# Allegro board 8880F5-0823_9.brd (continued)
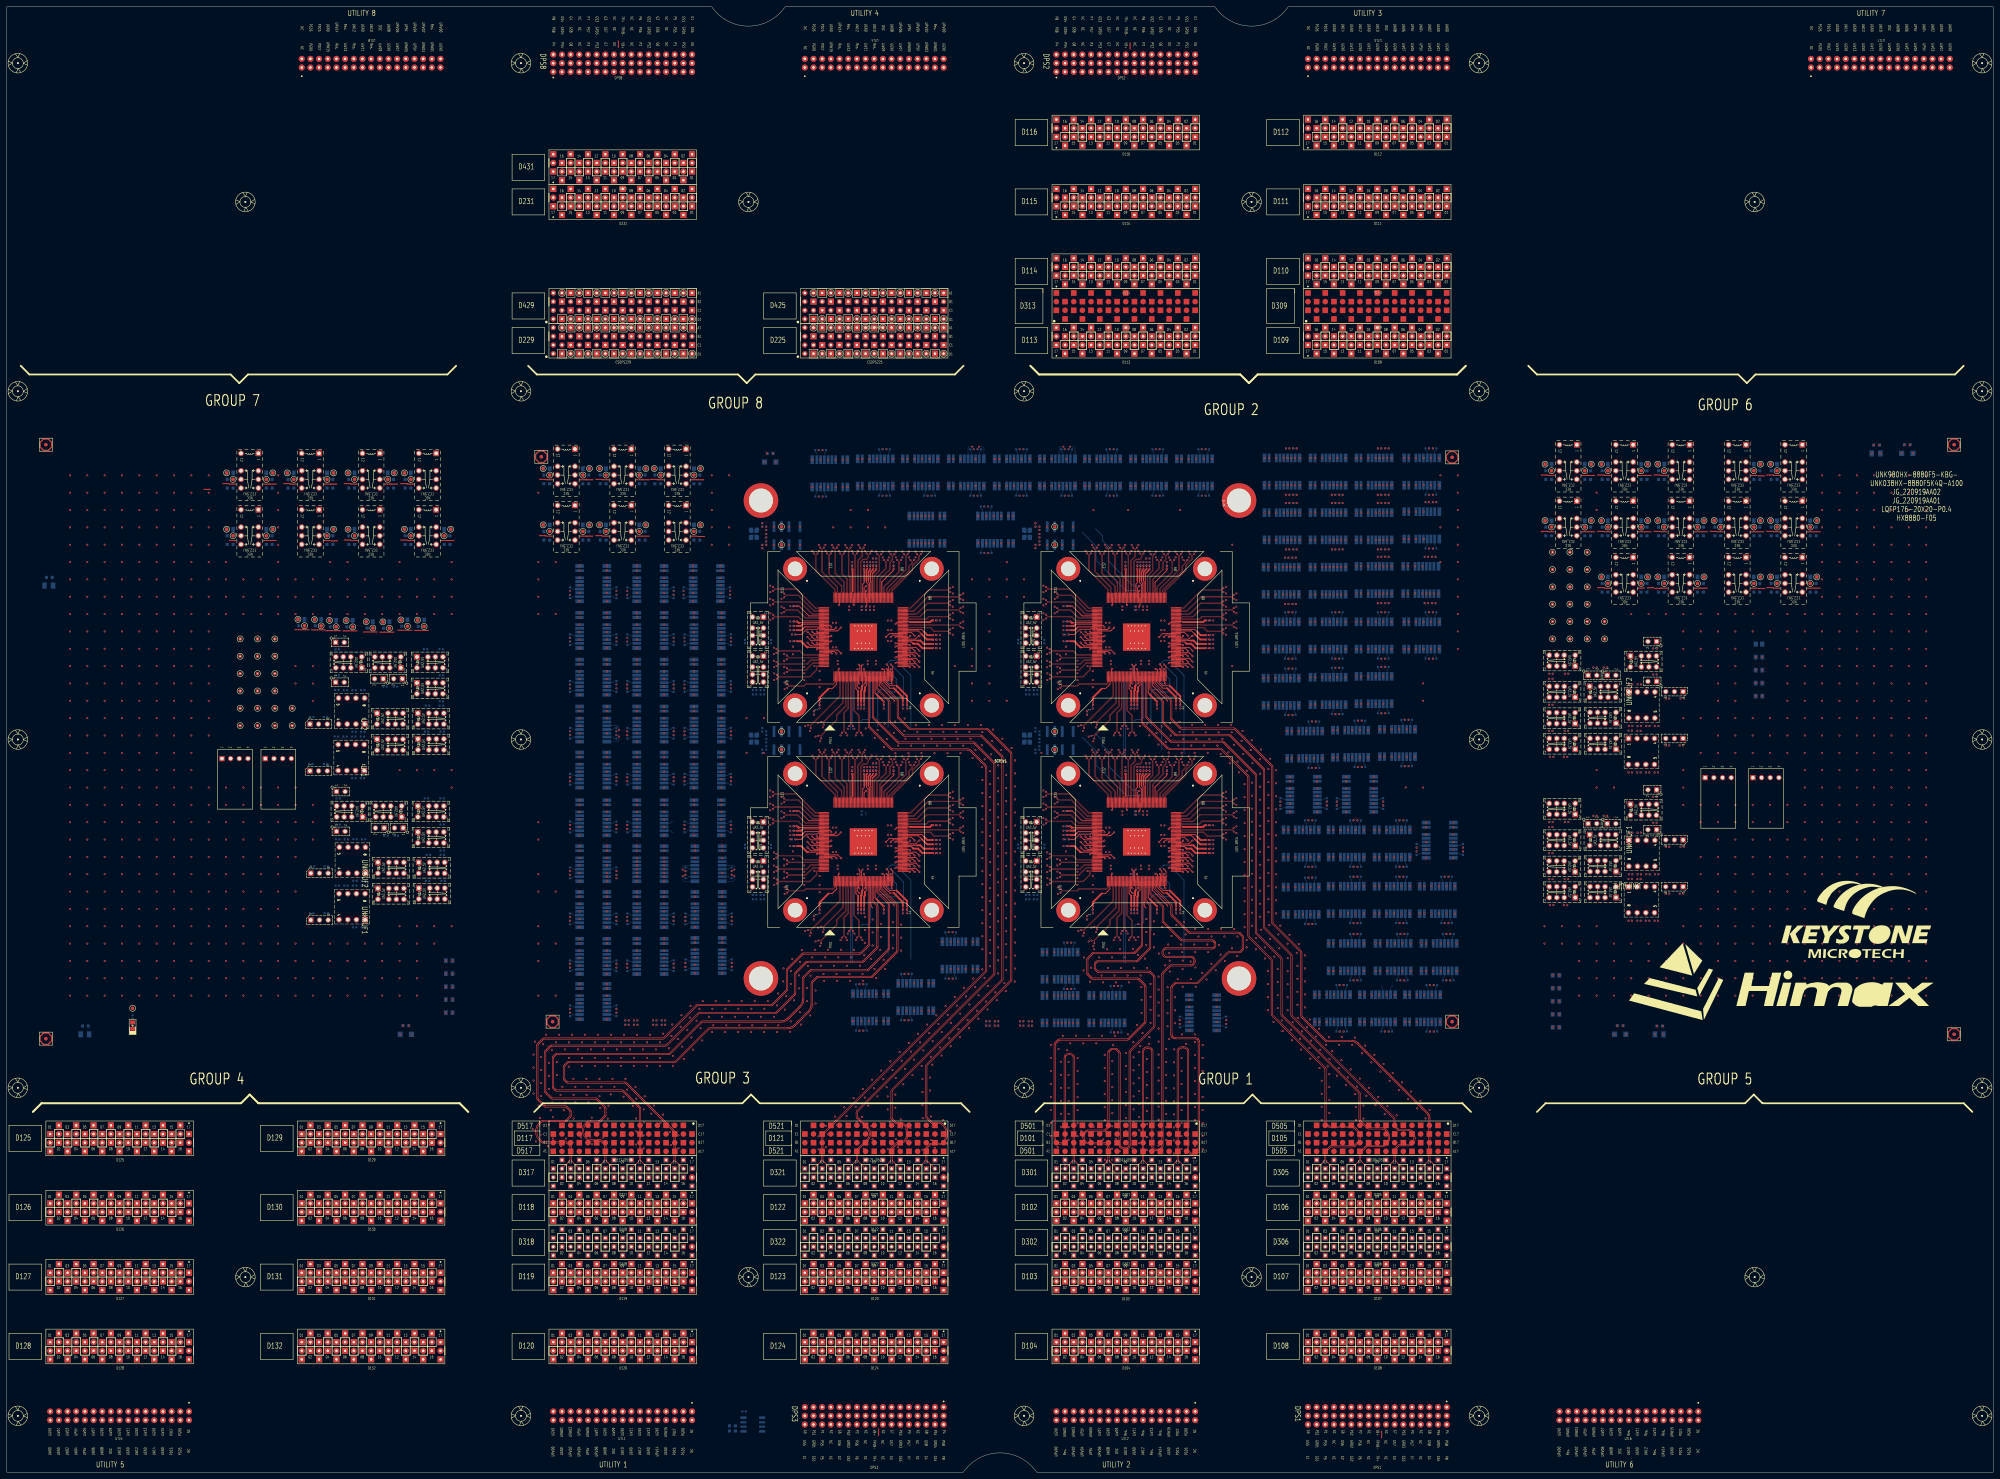
[diagram p0: board, top side]
## Routing (per net, layer and track width the routed paths; a pad name or vN(x,y) marks a point on that pad's centre or on a via; arc(x,y) is an arc through that point) (continued)
D11115: length 210.7
  TOP w0.086: v1(334.93,268.93) 335.4,268.46 335.4,264.17 333.91,262.68 333.91,257.86 333.83,257.78 SITE2.103
  L05_SIGNAL w0.071: D111.15 388.51,375.81 388.51,377.18 386.97,378.73 378.74,378.73 375.01,375 375.01,326.86 394.4,307.48 394.4,285.35 391.49,282.43 391.49,272.88 389.69,271.08 389.69,270.79 v1(390.16,270.32)
  L32_SIGNAL w0.071: v1(334.93,268.93) 335.4,269.4 335.4,272.91 336.63,274.14 385.42,274.14 387.05,272.51 389.11,272.51 389.69,271.93 389.69,270.79 v1(390.16,270.32)
D11201: length 319.1
  TOP w0.086: v1(307.6,253.14) 308.04,252.7 311.52,252.7 313.87,250.35 317.6,250.35 317.68,250.43 SITE2.140
  L05_SIGNAL w0.071: D112.01 419.19,396.15 419.19,397.75 421.54,400.1 428.58,400.1 450.58,378.1 450.58,280.7 423.68,253.8 417.47,253.8 416.92,253.26 416.92,252.38 v1(416.45,251.9)
  L32_SIGNAL w0.071: v1(416.45,251.9) 416.92,251.43 416.92,250.12 414.4,247.6 362.89,247.6 357.8,252.69 355.66,252.69 354.39,251.43 325.91,251.43 324.67,252.67 308.07,252.67 v1(307.6,253.14)
D11202: length 833.7
  TOP w0.086: SITE2.120 327.03,257.78 326.95,257.86 326.95,262.28 326.61,262.62 326.61,270.41 v1(327.07,270.87)
  L07_SIGNAL w0.071: v1(416.2,254.57) 416.67,254.1 416.67,253.51 415.6,252.44 414.09,252.44 413.39,253.14 413.39,254.85 414.85,256.3 423.91,256.3 448.7,281.09 448.7,371.27 434.53,385.44 417.27,385.44 415.89,386.81 415.89,389.1 416.5,389.71 417.65,389.71 D112.02
  L30_SIGNAL w0.071: v1(327.07,270.87) 326.6,271.34 326.6,284.75 322.24,289.11 322.24,308.26 311.34,319.16 311.34,363.59 303.91,371.02 281.1,371.02 269.99,359.92 214.41,359.92 208.54,365.79 208.54,401 211.75,404.21 368.74,404.21 373.4,399.55 373.4,299.54 374,298.94 382.65,298.94 387.74,304.03 425.86,304.03 430.07,299.82 430.07,265.36 421.5,256.79 417.38,256.79 416.67,256.08 416.67,255.04 v1(416.2,254.57)
D11203: length 320.1
  TOP w0.086: SITE2.141 317.68,250.03 317.6,250.11 313.78,250.11 311.43,252.46 308.06,252.46 v1(307.6,252)
  L05_SIGNAL w0.071: v1(417.6,251.9) 417.12,252.38 417.12,253.18 417.55,253.6 423.76,253.6 450.78,280.62 450.78,378.18 428.66,400.29 421.46,400.29 419,397.83 419,396.14 D112.03
  L32_SIGNAL w0.071: v1(307.6,252) 308.07,252.47 324.59,252.47 325.83,251.23 354.47,251.23 355.74,252.5 357.71,252.5 362.81,247.4 414.49,247.4 417.12,250.04 417.12,251.43 v1(417.6,251.9)
D11204: length 833.7
  TOP w0.086: v1(325.93,270.87) 326.38,270.42 326.38,262.52 326.71,262.19 326.71,257.86 326.63,257.78 SITE2.121
  L07_SIGNAL w0.071: D112.04 415.69,389.49 415.69,386.73 417.19,385.24 434.44,385.24 448.5,371.19 448.5,281.18 423.82,256.5 414.76,256.5 413.19,254.93 413.19,253.06 414.01,252.24 415.68,252.24 416.87,253.43 416.87,254.1 v1(417.34,254.57)
  L30_SIGNAL w0.071: v1(325.93,270.87) 326.4,271.34 326.4,284.66 322.04,289.03 322.04,308.18 311.14,319.08 311.14,363.51 303.83,370.82 281.18,370.82 270.07,359.72 214.33,359.72 208.34,365.71 208.34,401.08 211.67,404.41 368.82,404.41 373.6,399.63 373.6,299.62 374.08,299.14 382.57,299.14 387.66,304.22 425.94,304.22 430.27,299.9 430.27,265.27 421.59,256.6 417.46,256.6 416.87,256 416.87,255.04 v1(417.34,254.57)
D11205: length 362.1
  TOP w0.086: SITE2.142 317.68,249.63 317.6,249.55 313.04,249.55 311.83,250.76 304.76,250.76 v1(304.31,251.21)
  L05_SIGNAL w0.071: v1(416.45,238.32) 416.92,238.79 416.92,239.69 452.52,275.29 452.52,381.95 430.68,403.78 413.82,403.78 409.02,398.98 409.02,396.16 D112.05
  L32_SIGNAL w0.071: v1(416.45,238.32) 416.92,237.84 416.92,236.22 414.88,234.17 369.68,234.17 365.44,238.42 344.11,238.42 343.63,237.94 339.58,237.94 338.54,238.98 316.99,238.98 315.38,240.6 309.17,240.6 306.67,243.09 306.67,249.45 305.38,250.74 304.78,250.74 v1(304.31,251.21)
D11206: length 833.7
  TOP w0.086: SITE2.81 343.98,250.43 344.06,250.51 347.46,250.51 349.46,252.51 358.8,252.51 v1(359.29,252.02)
  L07_SIGNAL w0.071: v1(416.45,270.57) 416.92,270.1 416.92,269.53 417.62,268.83 433.33,268.83 446.64,282.14 446.64,368.66 430.94,384.36 407.38,384.36 406.81,384.93 406.81,388.91 408.94,391.04 D112.06
  L30_SIGNAL w0.071: v1(416.45,270.57) 416.92,271.05 416.92,271.94 421.9,276.91 421.9,298.04 418.5,301.44 410.93,301.44 407.73,298.24 407.73,256.74 411.44,253.03 411.44,249.09 412.39,248.14 430,248.14 444.85,263 444.85,326.95 463.35,345.45 541.69,345.45 553.52,333.62 553.52,297.8 554.43,296.89 554.43,256.03 550.85,252.45 451.19,252.45 441.66,242.92 411.34,242.92 409.74,244.52 409.74,252.36 406.25,255.85 398.56,255.85 397.34,257.08 397.34,266.24 395.18,268.39 381.78,268.39 380.29,266.91 380.29,252.39 378.1,250.2 365.18,250.2 362.88,252.49 359.76,252.49 v1(359.29,252.02)
D11207: length 363.1
  TOP w0.086: SITE2.143 317.68,249.23 317.6,249.31 312.94,249.31 311.73,250.52 304.76,250.52 v1(304.31,250.07)
  L05_SIGNAL w0.071: D112.07 408.82,396.12 408.82,399.06 413.74,403.98 430.77,403.98 452.72,382.03 452.72,275.2 417.12,239.61 417.12,238.79 v1(417.6,238.32)
  L32_SIGNAL w0.071: v1(417.6,238.32) 417.12,237.84 417.12,236.14 414.96,233.97 369.6,233.97 365.35,238.22 344.19,238.22 343.71,237.74 339.5,237.74 338.45,238.79 316.91,238.79 315.3,240.4 309.08,240.4 306.47,243.01 306.47,249.37 305.3,250.54 304.78,250.54 v1(304.31,250.07)
D11208: length 833.7
  TOP w0.086: SITE2.82 343.98,250.83 344.06,250.75 347.37,250.75 349.36,252.75 358.88,252.75 v1(359.29,253.16)
  L07_SIGNAL w0.071: v1(417.6,270.57) 417.12,270.1 417.12,269.61 417.7,269.03 433.25,269.03 446.44,282.22 446.44,368.58 430.86,384.16 407.3,384.16 406.61,384.85 406.61,388.58 405.16,390.03 404.99,390.03 D112.08
  L30_SIGNAL w0.071: v1(417.6,270.57) 417.12,271.05 417.12,271.86 422.1,276.83 422.1,298.13 418.58,301.64 410.85,301.64 407.53,298.32 407.53,256.66 411.24,252.95 411.24,249 412.3,247.94 430.08,247.94 445.05,262.92 445.05,326.87 463.44,345.25 541.61,345.25 553.32,333.54 553.32,297.71 554.23,296.8 554.23,256.11 550.77,252.65 451.11,252.65 441.58,243.12 411.42,243.12 409.94,244.6 409.94,252.45 406.33,256.05 398.64,256.05 397.53,257.16 397.53,266.32 395.26,268.59 381.69,268.59 380.1,266.99 380.1,252.47 378.01,250.39 365.26,250.39 362.97,252.69 359.76,252.69 v1(359.29,253.16)
D11209: length 833.7
  TOP w0.086: SITE2.122 326.23,257.78 326.15,257.86 326.15,261.71 324.69,263.17 324.69,268.7 v1(325.14,269.15)
  L07_SIGNAL w0.071: v1(375.3,267.91) 375.78,268.38 375.78,269.09 376.37,269.69 378.14,269.69 380.69,272.24 380.69,309.33 360.54,329.48 360.54,385.86 378.74,404.07 393.7,404.07 398.86,398.9 398.86,396.16 D112.09
  L30_SIGNAL w0.071: v1(375.3,267.91) 375.78,267.43 375.78,266.69 375.51,266.42 373.68,266.42 370.84,269.26 370.84,297.43 369.19,299.08 369.19,394.92 365.02,399.09 219.28,399.09 215.88,395.69 215.88,378.52 222.05,372.35 269.69,372.35 270.25,372.91 270.25,373.75 269.56,374.44 222.73,374.44 221.88,375.29 221.88,376.46 222.51,377.09 314.4,377.09 316.29,375.21 316.29,365.56 318.65,363.2 318.65,320.24 331.49,307.39 331.49,273.68 333.84,271.33 333.84,269.23 332.06,267.44 325.07,267.44 324.67,267.84 324.67,268.68 v1(325.14,269.15)
D11210: length 833.7
  TOP w0.086: v1(330.93,270.87) 330.46,270.4 330.46,268.18 329.35,267.06 329.35,257.86 329.43,257.78 SITE2.114
  L05_SIGNAL w0.071: v1(389.02,286.32) 389.49,285.85 389.49,285.43 389.27,285.21 388.29,285.21 386.05,287.45 386.05,311.04 371.6,325.49 371.6,376.47 377.39,382.27 393.25,382.27 395.72,384.73 395.72,389.46 396.38,390.12 397.74,390.12 D112.10
  L30_SIGNAL w0.071: v1(389.02,286.32) 389.49,286.79 389.49,287.73 389.12,288.1 387.21,288.1 386.53,288.78 386.53,294.52 385.24,295.8 373.93,295.8 370.41,299.32 370.41,396.52 366.53,400.4 216.01,400.4 212.98,397.36 212.98,366.62 215.31,364.28 228.47,364.28 228.82,364.64 228.82,365.56 228.36,366.02 215.02,366.02 214.29,366.75 214.29,367.54 214.76,368.02 274.4,368.02 274.74,368.36 274.74,368.69 274.5,368.92 220.8,368.92 220.34,369.38 220.34,370.36 220.91,370.92 276.54,370.92 277.29,371.67 277.29,372.26 276.89,372.67 272.47,372.67 271.89,373.25 271.89,373.9 272.5,374.51 277.14,374.51 279.23,372.41 310.19,372.41 311.3,371.3 311.3,368.2 316.39,363.11 316.39,319.24 329.92,305.71 329.92,288.57 330.46,288.03 330.46,271.34 v1(330.93,270.87)
D11211: length 833.7
  TOP w0.086: SITE2.123 325.83,257.78 325.91,257.86 325.91,261.61 324.46,263.07 324.46,268.69 v1(324,269.15)
  L07_SIGNAL w0.071: v1(376.45,267.91) 375.98,268.38 375.98,269.01 376.45,269.49 378.22,269.49 380.89,272.16 380.89,309.41 360.74,329.57 360.74,385.78 378.83,403.87 393.61,403.87 398.66,398.82 398.66,396.12 D112.11
  L30_SIGNAL w0.071: v1(376.45,267.91) 375.97,267.43 375.97,266.6 375.59,266.22 373.59,266.22 370.64,269.18 370.64,297.35 368.99,299 368.99,394.84 364.94,398.89 219.36,398.89 216.08,395.61 216.08,378.6 222.13,372.55 269.61,372.55 270.05,373 270.05,373.67 269.48,374.24 222.64,374.24 221.68,375.2 221.68,376.54 222.43,377.29 314.48,377.29 316.48,375.29 316.48,365.65 318.85,363.28 318.85,320.32 331.69,307.48 331.69,273.77 334.04,271.42 334.04,269.15 332.14,267.25 324.98,267.25 324.47,267.76 324.47,268.68 v1(324,269.15)
D11212: length 833.7
  TOP w0.086: SITE2.115 329.03,257.78 329.11,257.86 329.11,267.16 330.22,268.28 330.22,270.43 v1(329.79,270.87)
  L05_SIGNAL w0.071: v1(390.16,286.32) 389.69,285.85 389.69,285.35 389.35,285.01 388.21,285.01 385.85,287.36 385.85,310.95 371.4,325.41 371.4,376.56 377.31,382.47 393.17,382.47 395.52,384.82 395.52,389.34 D112.12
  L30_SIGNAL w0.071: v1(329.79,270.87) 330.26,271.34 330.26,287.95 329.72,288.49 329.72,305.62 316.19,319.16 316.19,363.03 311.11,368.11 311.11,371.21 310.11,372.21 279.15,372.21 277.05,374.31 272.58,374.31 272.09,373.81 272.09,373.33 272.55,372.87 276.97,372.87 277.49,372.35 277.49,371.59 276.63,370.72 220.99,370.72 220.54,370.27 220.54,369.46 220.88,369.12 274.58,369.12 274.94,368.77 274.94,368.28 274.48,367.82 214.85,367.82 214.49,367.46 214.49,366.84 215.11,366.22 228.44,366.22 229.02,365.64 229.02,364.56 228.55,364.08 215.23,364.08 212.78,366.54 212.78,397.44 215.93,400.6 366.61,400.6 370.61,396.6 370.61,299.4 374.01,296 385.33,296 386.73,294.6 386.73,288.86 387.29,288.3 389.2,288.3 389.69,287.81 389.69,286.79 v1(390.16,286.32)
D11213: length 267.2
  TOP w0.086: v1(307.6,257.38) 308.04,256.95 311.86,256.95 316.46,252.35 317.6,252.35 317.68,252.43 SITE2.135
  L05_SIGNAL w0.071: D112.13 388.69,396.17 388.69,397.29 385.88,400.1 379.17,400.1 368.12,389.05 368.12,323.89 382.27,309.74 382.27,256.06 379.9,253.69 376.71,253.69 375.78,252.76 375.78,252.38 v1(375.3,251.9)
  L32_SIGNAL w0.071: v1(375.3,251.9) 375.78,251.43 375.78,250.53 375.26,250.01 373.63,250.01 365.31,258.33 359.12,258.33 357.11,256.33 354.67,256.33 354.09,256.91 308.07,256.91 v1(307.6,257.38)
D11214: length 280.3
  TOP w0.086: v1(304.31,255.45) 304.75,255.01 312.43,255.01 315.88,251.55 317.6,251.55 317.68,251.63 SITE2.137
  L05_SIGNAL w0.071: v1(375.3,238.32) 375.78,237.84 375.78,237.38 376.69,236.47 380.12,236.47 384.61,240.96 384.61,309.92 369.79,324.74 369.79,376.48 376.93,383.62 384.08,383.62 386.19,385.73 386.19,388.73 D112.14
  L32_SIGNAL w0.071: v1(375.3,238.32) 375.78,237.84 375.78,236.83 375.02,236.08 370.4,236.08 363.64,242.83 356.97,242.83 349.51,250.29 307.02,250.29 306.04,251.27 306.04,254.08 305.14,254.98 304.78,254.98 v1(304.31,255.45)
D11215: length 266.9
  TOP w0.086: v1(307.6,256.24) 308.07,256.71 311.76,256.71 316.36,252.11 317.6,252.11 317.68,252.03 SITE2.136
  L05_SIGNAL w0.071: D112.15 388.49,396.11 388.49,397.21 385.8,399.9 379.25,399.9 368.32,388.97 368.32,323.97 382.47,309.82 382.47,255.98 379.98,253.49 376.79,253.49 375.98,252.67 375.98,252.38 v1(376.45,251.9)
  L32_SIGNAL w0.071: v1(307.6,256.24) 308.07,256.71 354.01,256.71 354.59,256.13 357.2,256.13 359.2,258.13 365.23,258.13 373.55,249.81 375.34,249.81 375.98,250.45 375.98,251.43 v1(376.45,251.9)
D11216: length 280
  TOP w0.086: SITE2.138 317.68,251.23 317.6,251.31 315.78,251.31 312.33,254.77 304.76,254.77 v1(304.31,254.31)
  L05_SIGNAL w0.071: v1(376.45,238.32) 375.98,237.84 375.98,237.46 376.77,236.67 380.04,236.67 384.41,241.04 384.41,309.84 369.59,324.65 369.59,376.56 376.85,383.82 384,383.82 385.99,385.81 385.99,388.71 D112.16
  L32_SIGNAL w0.071: v1(304.31,254.31) 304.78,254.78 305.06,254.78 305.84,254 305.84,251.19 306.94,250.09 349.43,250.09 356.89,242.63 363.56,242.63 370.31,235.88 375.1,235.88 375.98,236.75 375.98,237.84 v1(376.45,238.32)
D11301: length 413.5
  TOP w0.086: SITE2.172 317.68,237.63 317.6,237.71 315.46,237.71 314.38,236.63 305.85,236.63 v1(305.39,236.18)
  L03_SIGNAL w0.071: D113.01 346.56,334.16 345.33,334.16 345.19,334.3 345.19,338.08 348.53,341.42 359.68,341.42 366.38,334.71 366.38,316.24 380.64,301.99 380.64,220.95 378.5,218.81 362.94,218.81 360.99,220.75 360.99,249.43 357.89,252.54 345.69,252.54 341.37,248.22 341.37,217.27 343.1,215.54 365.93,215.54 369.3,212.17 378.89,212.17 381.94,215.22 381.94,217.99 382.83,218.88 382.83,219.43 v1(383.31,219.9)
  L28_SIGNAL w0.071: v1(383.31,219.9) 382.83,219.43 382.83,218.74 383.25,218.33 384.29,218.33 384.81,218.85 384.81,224.13 378.02,230.92 342.22,230.92 338.98,234.16 323.23,234.16 320.74,236.65 305.87,236.65 v1(305.39,236.18)
D11302: length 457
  TOP w0.086: v1(319.21,218.99) 319.21,219.63 324.95,225.37 324.95,231.4 325.03,231.48 SITE2.8
  L03_SIGNAL w0.071: v1(376.45,221.81) 375.98,222.28 375.98,223.44 377.03,224.49 377.03,228.03 372.59,232.47 372.59,237.74 370.45,239.88 370.45,300.17 361.38,309.24 339.09,309.24 333.78,303.93 333.78,278.31 337.17,274.92 359.53,274.92 364.26,270.19 364.26,226.02 370.1,220.18 377.88,220.18 379.44,221.74 379.44,299.53 359.14,319.83 346.23,319.83 343.82,322.24 343.82,328.58 D113.02
  L28_SIGNAL w0.071: v1(319.21,218.99) 319.21,219.66 320.41,220.86 337.31,220.86 340.52,217.65 374.12,217.65 375.98,219.5 375.98,221.73 376.05,221.81 v1(376.45,221.81)
D11303: length 413.5
  TOP w0.086: SITE2.171 317.68,238.03 317.6,237.95 315.37,237.95 314.29,236.87 305.85,236.87 v1(305.39,237.32)
  L03_SIGNAL w0.071: v1(382.16,219.9) 382.63,219.43 382.63,218.96 381.74,218.07 381.74,215.3 378.81,212.37 369.38,212.37 366.01,215.74 343.18,215.74 341.57,217.35 341.57,248.14 345.77,252.34 357.8,252.34 360.79,249.35 360.79,220.67 362.86,218.61 378.58,218.61 380.83,220.86 380.83,302.07 366.58,316.32 366.58,334.8 359.76,341.61 348.45,341.61 344.99,338.16 344.99,334.83 D113.03
  L28_SIGNAL w0.071: v1(305.39,237.32) 305.87,236.85 320.82,236.85 323.31,234.36 339.06,234.36 342.3,231.12 378.1,231.12 385.01,224.21 385.01,218.77 384.37,218.13 383.17,218.13 382.63,218.66 382.63,219.43 v1(382.16,219.9)
D11304: length 457
  TOP w0.086: v1(318.4,219.8) 319.04,219.8 324.71,225.47 324.71,231.4 324.63,231.48 SITE2.7
  L03_SIGNAL w0.071: v1(375.3,221.81) 375.78,222.28 375.78,223.52 376.83,224.58 376.83,227.94 372.39,232.39 372.39,237.65 370.25,239.8 370.25,300.09 361.29,309.04 339.17,309.04 333.98,303.84 333.98,278.39 337.25,275.12 359.61,275.12 364.45,270.28 364.45,226.1 370.18,220.38 377.8,220.38 379.24,221.82 379.24,299.45 359.06,319.63 346.15,319.63 343.62,322.15 343.62,328.59 343.02,329.2 341.36,329.2 D113.04
  L28_SIGNAL w0.071: v1(375.3,221.81) 375.71,221.81 375.78,221.73 375.78,219.58 374.04,217.85 340.61,217.85 337.39,221.06 320.33,221.06 319.07,219.8 v1(318.4,219.8)
D11305: length 457
  TOP w0.086: SITE2.16 328.23,231.48 328.15,231.4 328.15,223.18 329.68,221.65 329.68,217.05 v1(330.13,216.61)
  L03_SIGNAL w0.071: D113.05 335.38,335.18 335.38,339.03 339.92,343.57 366.08,343.57 370.39,339.26 370.39,317.73 382.35,305.76 382.35,222.21 384.09,220.46 388.91,220.46 389.69,221.24 389.69,221.59 v1(390.16,222.06)
  L28_SIGNAL w0.071: v1(390.16,222.06) 389.69,221.59 389.69,219.84 389.9,219.63 390.73,219.63 391.48,220.38 391.48,223 395.58,227.09 409.02,227.09 420.59,238.66 420.59,247.52 423.54,250.47 448.25,250.47 450.3,248.43 450.3,204.59 447.14,201.43 408.47,201.43 407.86,200.83 376.05,200.83 373.98,202.89 373.98,210.59 371.58,212.98 361.21,212.98 360.43,213.76 341.15,213.76 339.9,215 336.94,215 334.16,217.78 329.98,217.78 329.66,217.46 329.66,217.08 v1(330.13,216.61)
D11306: length 457
  TOP w0.086: v1(315.41,217.99) 315.41,218.63 324.15,227.37 324.15,231.4 324.23,231.48 SITE2.6
  L03_SIGNAL w0.071: v1(376.45,235.39) 375.98,235.87 375.98,236.75 372.98,239.74 372.98,300.65 359.84,313.79 337.34,313.79 333.45,317.68 333.45,328.37 D113.06
  L28_SIGNAL w0.071: v1(376.45,235.39) 375.97,235.87 375.97,236.52 383.15,243.7 408.49,243.7 413.7,248.91 413.7,305.72 411.77,307.64 409.19,307.64 407.59,306.04 407.59,250.06 403.06,245.53 368.79,245.53 362.84,239.58 352.16,239.58 347.49,244.25 344.15,244.25 342.85,245.54 328.71,245.54 327.59,244.42 320.55,244.42 320,243.87 314.24,243.87 313.66,244.45 306.23,244.45 303.76,241.99 303.76,221.23 307.94,217.06 313.81,217.06 314.74,217.99 v1(315.41,217.99)
D11307: length 457
  TOP w0.086: v1(328.99,216.61) 329.45,217.06 329.45,221.55 327.91,223.08 327.91,231.4 327.83,231.48 SITE2.15
  L03_SIGNAL w0.071: v1(389.02,222.06) 389.49,221.59 389.49,221.32 388.83,220.66 384.18,220.66 382.55,222.29 382.55,305.85 370.59,317.81 370.59,339.35 366.16,343.77 339.83,343.77 335.18,339.11 335.18,335.18 D113.07
  L28_SIGNAL w0.071: v1(328.99,216.61) 329.46,217.08 329.46,217.55 329.9,217.98 334.24,217.98 337.02,215.2 339.98,215.2 341.23,213.96 360.51,213.96 361.29,213.18 371.67,213.18 374.18,210.67 374.18,202.98 376.13,201.03 407.78,201.03 408.38,201.63 447.06,201.63 450.1,204.67 450.1,248.35 448.17,250.27 423.63,250.27 420.79,247.43 420.79,238.58 409.1,226.89 395.66,226.89 391.68,222.92 391.68,220.3 390.82,219.43 389.82,219.43 389.49,219.76 389.49,221.59 v1(389.02,222.06)
D11308: length 457
  TOP w0.086: SITE2.5 323.83,231.48 323.91,231.4 323.91,227.47 315.24,218.8 v1(314.6,218.8)
  L03_SIGNAL w0.071: D113.08 331.36,329.04 332.77,329.04 333.25,328.55 333.25,317.59 337.26,313.59 359.75,313.59 372.78,300.57 372.78,239.66 375.78,236.67 375.78,235.87 v1(375.3,235.39)
  L28_SIGNAL w0.071: v1(375.3,235.39) 375.78,235.87 375.78,236.61 383.07,243.9 408.41,243.9 413.5,249 413.5,305.63 411.69,307.44 409.28,307.44 407.79,305.96 407.79,249.97 403.14,245.33 368.88,245.33 362.92,239.38 352.08,239.38 347.41,244.05 344.07,244.05 342.77,245.35 328.8,245.35 327.67,244.22 320.63,244.22 320.09,243.68 314.15,243.68 313.58,244.26 306.31,244.26 303.96,241.9 303.96,221.31 308.02,217.26 313.73,217.26 314.6,218.13 v1(314.6,218.8)
D11402: length 833.7
  TOP w0.086: v1(356.24,257.81) 355.83,258.23 349.88,258.23 344.57,252.91 344.06,252.91 343.98,252.83 SITE2.87
  L05_SIGNAL w0.071: D114.02 344.48,349.56 343.35,349.56 342.57,348.78 342.57,346.42 343.45,345.54 348.75,345.54 354.68,339.61 354.68,326.55 370.83,310.4 370.83,284.43 372.92,282.34 375.74,282.34 376.03,282.63 376.03,283.44 v1(375.56,283.91)
  L30_SIGNAL w0.071: v1(375.56,283.91) 376.04,284.39 376.04,285.19 375.76,285.46 373.49,285.46 372.95,284.92 372.95,280.44 379.38,274.01 379.38,252.88 377.37,250.87 369.66,250.87 366.5,254.02 366.5,275.23 363.85,277.89 358.1,277.89 354.27,281.72 354.27,287.21 365.55,298.49 365.55,355.06 357.7,362.91 357.7,388.72 354.03,392.39 220.3,392.39 219.49,391.57 219.49,390.66 220.36,389.79 348.45,389.79 349.23,389.01 349.23,387.96 348.39,387.12 286.76,387.12 285.47,385.82 285.47,384.11 286.76,382.81 316.22,382.81 321.55,377.48 321.55,366.09 323.79,363.85 323.79,321.03 335.88,308.94 335.88,273.72 337.1,272.5 350.45,272.5 357.85,265.1 357.85,258.72 357.41,258.28 356.72,258.28 v1(356.24,257.81)
D11403: length 187.9
  TOP w0.086: v1(319.3,270.88) 318.85,270.43 318.85,263.79 323.35,259.29 323.35,257.86 323.43,257.78 SITE2.129
  L05_SIGNAL w0.071: v1(375.56,286.32) 376.03,286.79 376.03,287.91 375.65,288.29 373.61,288.29 372.46,289.44 372.46,310.86 356.18,327.14 356.18,351.72 349.09,358.81 342.16,358.81 340.49,357.13 340.49,355.47 D114.03
  L32_SIGNAL w0.071: v1(375.56,286.32) 376.03,286.79 376.03,287.61 375.39,288.26 372.07,288.26 370.62,286.81 370.62,280.56 365.27,275.21 320.4,275.21 318.83,273.64 318.83,271.35 v1(319.3,270.88)
D11404: length 833.7
  TOP w0.086: SITE2.88 343.98,253.23 344.06,253.15 344.47,253.15 349.78,258.47 355.76,258.47 v1(356.24,258.95)
  L05_SIGNAL w0.071: D114.04 342.37,348.51 342.37,348.41 342.37,346.34 343.36,345.34 348.66,345.34 354.48,339.53 354.48,326.47 370.63,310.31 370.63,284.35 372.84,282.14 375.82,282.14 376.23,282.54 376.23,283.44 v1(376.7,283.91)
  L30_SIGNAL w0.071: v1(356.24,258.95) 356.72,258.48 357.33,258.48 357.66,258.8 357.66,265.02 350.37,272.31 337.02,272.31 335.68,273.64 335.68,308.85 323.59,320.94 323.59,363.76 321.35,366.01 321.35,377.4 316.14,382.61 286.68,382.61 285.27,384.02 285.27,385.9 286.68,387.32 348.31,387.32 349.03,388.05 349.03,388.92 348.37,389.59 220.27,389.59 219.29,390.58 219.29,391.66 220.22,392.59 354.12,392.59 357.9,388.8 357.9,362.99 365.75,355.14 365.75,298.41 354.47,287.13 354.47,281.8 358.18,278.08 363.93,278.08 366.7,275.32 366.7,254.11 369.74,251.06 377.29,251.06 379.18,252.96 379.18,273.93 372.75,280.36 372.75,285 373.41,285.66 375.85,285.66 376.23,285.27 376.23,284.38 v1(376.7,283.91)
D11405: length 189.2
  TOP w0.086: SITE2.130 323.03,257.78 323.11,257.86 323.11,259.19 318.61,263.69 318.61,270.43 v1(318.16,270.88)
  L05_SIGNAL w0.071: v1(376.7,286.32) 376.23,286.79 376.23,288 375.73,288.49 373.69,288.49 372.66,289.52 372.66,310.94 356.37,327.23 356.37,351.8 349.18,359 342.08,359 340.29,357.21 340.29,355.53 D114.05
  L32_SIGNAL w0.071: v1(376.7,286.32) 376.23,286.79 376.23,287.69 375.47,288.46 371.98,288.46 370.42,286.89 370.42,280.64 365.19,275.41 320.31,275.41 318.63,273.73 318.63,271.35 v1(318.16,270.88)
D11406: length 833.7
  TOP w0.086: SITE2.124 325.43,257.78 325.35,257.86 325.35,260.75 322.73,263.37 322.73,270.45 v1(323.16,270.88)
  L05_SIGNAL w0.071: D114.06 334.13,349.37 332.93,349.37 332.08,348.52 332.08,345.32 334.13,343.28 346.83,343.28 352.38,337.73 352.38,326.41 367.37,311.42 367.37,255.75 370.17,252.95 375.2,252.95 375.78,253.53 375.78,253.85 v1(375.3,254.32)
  L30_SIGNAL w0.071: v1(323.16,270.88) 322.69,270.41 322.69,266.59 325.69,263.59 343.04,263.59 348.64,269.19 348.64,269.86 347.46,271.04 335.91,271.04 333.53,273.43 333.53,307.86 321.26,320.12 321.26,362.98 318.62,365.62 318.62,376.49 316.15,378.96 221.99,378.96 221.08,379.87 221.08,381.59 221.85,382.36 281.47,382.36 282.02,382.91 282.02,384.85 281.35,385.52 220.11,385.52 217.72,387.91 217.72,392.9 219.69,394.86 354.42,394.86 360.77,388.51 360.77,363.91 367.42,357.27 367.42,256.25 370.92,252.74 375.38,252.74 375.77,253.14 375.77,253.85 v1(375.3,254.32)
D11407: length 833.7
  TOP w0.086: v1(321.28,269.15) 320.83,268.7 320.83,263.34 324.55,259.62 324.55,257.86 324.63,257.78 SITE2.126
  L07_SIGNAL w0.071: D114.07 331.57,354.23 330.69,354.23 329.39,355.44 329.39,359.29 331.58,361.48 350.09,361.48 357.55,354.02 357.55,327.93 376.03,309.45 376.03,300.38 v1(375.56,299.91)
  L30_SIGNAL w0.071: v1(321.28,269.15) 320.81,269.62 320.81,306.79 308.67,318.93 308.67,363.33 302.67,369.33 282.35,369.33 270.99,357.97 117.79,357.97 109.42,366.34 109.42,400.35 116.25,407.17 369.88,407.17 376.03,401.02 376.03,300.39 v1(375.56,299.91)
D11408: length 833.7
  TOP w0.086: v1(322.02,270.88) 322.49,270.41 322.49,263.28 325.11,260.65 325.11,257.86 325.03,257.78 SITE2.125
  L05_SIGNAL w0.071: v1(376.45,254.32) 375.98,253.85 375.98,253.45 375.28,252.76 370.09,252.76 367.17,255.67 367.17,311.34 352.18,326.33 352.18,337.65 346.75,343.08 334.04,343.08 331.88,345.24 331.88,348.84 D114.08
  L30_SIGNAL w0.071: v1(322.02,270.88) 322.49,270.41 322.49,266.51 325.6,263.39 343.12,263.39 348.84,269.1 348.84,269.94 347.54,271.24 335.99,271.24 333.73,273.51 333.73,307.94 321.46,320.2 321.46,363.06 318.82,365.71 318.82,376.57 316.23,379.16 222.07,379.16 221.28,379.95 221.28,381.5 221.93,382.16 281.55,382.16 282.22,382.83 282.22,384.93 281.43,385.72 220.2,385.72 217.92,387.99 217.92,392.82 219.77,394.67 354.34,394.67 360.57,388.43 360.57,363.83 367.22,357.18 367.22,256.17 370.84,252.54 375.46,252.54 375.97,253.06 375.97,253.84 v1(376.45,254.32)
D11409: length 833.7
  TOP w0.086: v1(320.14,269.15) 320.59,268.7 320.59,263.24 324.31,259.52 324.31,257.86 324.23,257.78 SITE2.127
  L07_SIGNAL w0.071: v1(376.7,299.91) 376.23,300.38 376.23,309.53 357.75,328.01 357.75,354.11 350.18,361.68 331.5,361.68 329.19,359.37 329.19,354.59 D114.09
  L30_SIGNAL w0.071: v1(320.14,269.15) 320.61,269.62 320.61,306.71 308.47,318.85 308.47,363.25 302.59,369.13 282.43,369.13 271.08,357.78 117.71,357.78 109.23,366.26 109.23,400.43 116.17,407.37 369.96,407.37 376.23,401.11 376.23,300.38 v1(376.7,299.91)
D11411: length 199.1
  TOP w0.086: SITE2.89 339.43,257.78 339.35,257.86 339.35,258.16 345.32,264.13 345.32,265.52 347.21,267.41 347.21,268.5 v1(347.64,268.93)
  L05_SIGNAL w0.071: v1(375.56,270.32) 376.03,270.79 376.03,271.15 377.77,272.89 377.77,282.29 379.49,284.01 379.49,308.29 359,328.78 359,356.87 349.58,366.28 325.87,366.28 320.1,360.51 320.1,355.54 D114.11
  L32_SIGNAL w0.071: v1(347.64,268.93) 347.17,268.46 347.17,268.24 347.26,268.16 347.62,268.16 349.14,269.68 356.82,269.68 357.83,268.67 375.72,268.67 376.03,268.98 376.03,269.85 v1(375.56,270.32)
D11413: length 200.4
  TOP w0.086: v1(346.5,268.93) 346.97,268.46 346.97,267.51 345.08,265.62 345.08,264.23 339.11,258.26 339.11,257.86 339.03,257.78 SITE2.90
  L05_SIGNAL w0.071: v1(376.7,270.32) 376.23,270.79 376.23,271.07 377.97,272.81 377.97,282.21 379.69,283.93 379.69,308.37 359.2,328.86 359.2,356.95 349.67,366.48 325.79,366.48 319.9,360.59 319.9,355.46 D114.13